# Altium PCB PV Refridgerator v0.1.0.PCBDOC (part 2 of 2)
Units mil, origin at the board's own origin, x right, y up, seen from the top; angles counter-clockwise.
Board outline 6000 x 6000 mil, 2 copper layers (Top Layer, Bottom Layer); 137 components, 98 nets, 385 pads, 105 vias.
Unrouted connection lines stored in the file: 4.
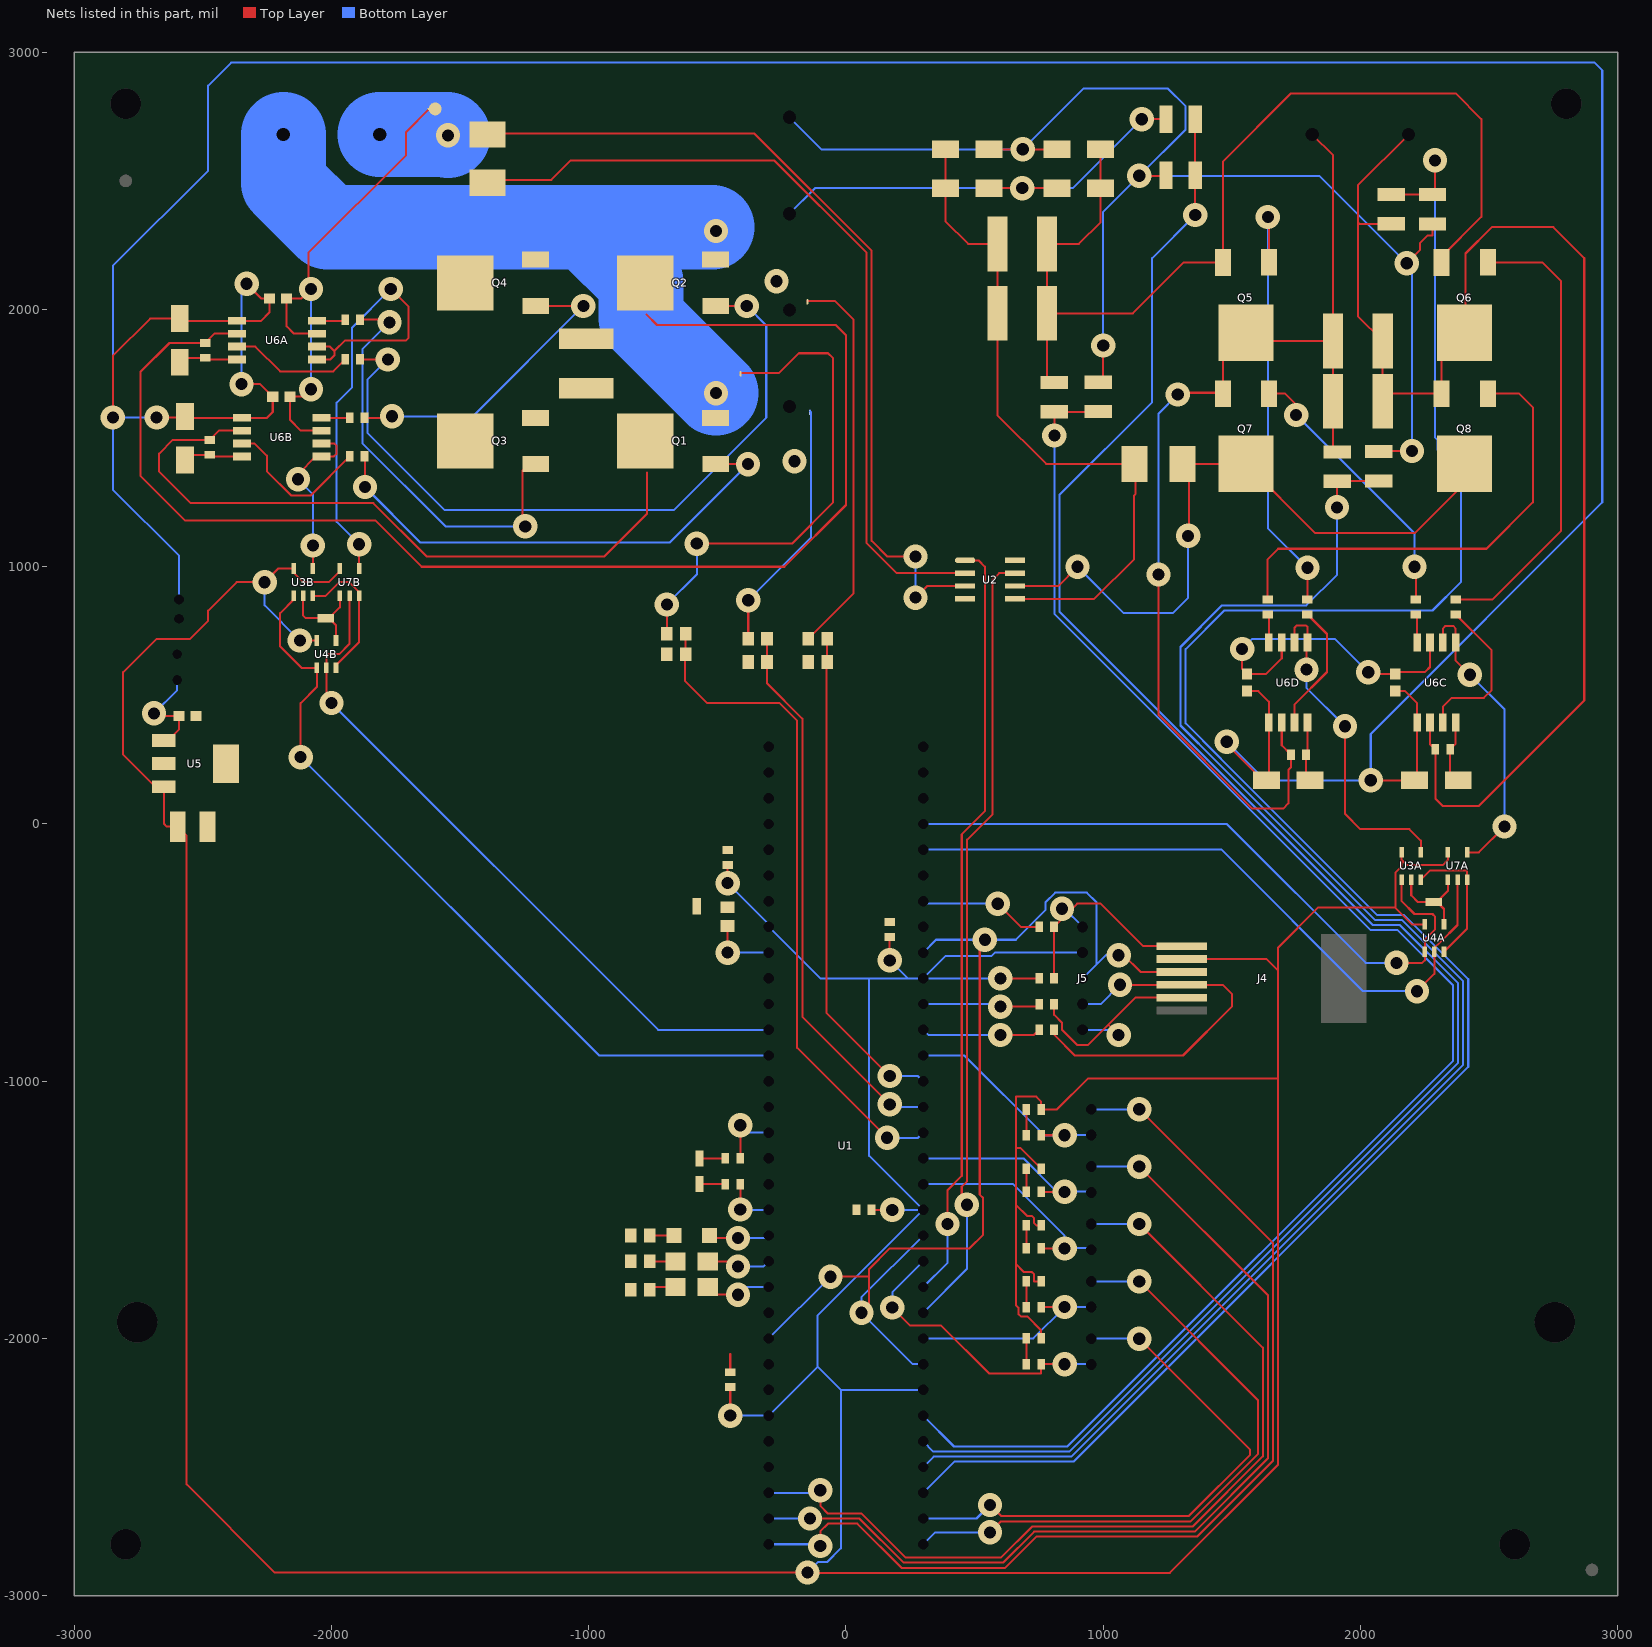
[diagram p2: the nets of this part, all layers, seen from the top]

## Part data
C11 C13A C13B C13C C13D: "Non-polarized"
C12: library part "22uF 1210 10V - Tantalum", "Polarized"
D1 D2 D3 D4 D8A D8B D8C D8D: library part "Diode - Signal 1A", "Signal Diode"
D7: "Single Colour"
J5: "Flash Programmer"
MountingHole1 MountingHole4: library part "Mounting Hole"
NetTie1A NetTie1B NetTie1C NetTie1D NetTie2 NetTie3 NetTie3 NetTie4 NetTie5 NetTie6 NetTie7 NetTie8 NetTie9: "Ties two nets together"
R3: library part "Template - Resistor"
R4 R11A R11B R11C R14A R14B R14C R14D R16A R16B R16C R16D R16E R17A R17B R17C R17D R17E: "Resistor"
R5 R6 R7 R8 R9 R10 R18 R19: "1/8W"
RT1A RT1B RT1C RT1D RT1E: library part "Thermistor 10k Type J", "Resistor"
U1: "General Purpose 16-Bit Flash Microcontroller, 256KB Flash, 16KB SRAM, 64-Pin TQFP, Industrial Temperature"
U5: "500mA"

## Via types
v1: diameter 94.49, hole 47.24, Top Layer to Bottom Layer, 105 vias

## Nets (pads, with @x,y where several pads share a name; then routed paths per layer and width w, separated by ;. In a path a pad name is that pad's centre, name@x,y a point inside that pad or via, vN(x,y) a via of type N, cw(c..) or ccw(c..) an arc to the next point about the centre after c; other vN are vias at no path point)
0V: J3.2 NetTie2.2 NetTie4.2 R2.1 | length 266.5
  Bottom Layer w330: J3.2@-1812.6,2680 -1550.08,2680 v1(-1547.24,2677.17)
3.3VDC: C5.1 C6.1 C7.1 C8.1 C12.1 J4.5 J5.2 R4.1 R16A.2 R16B.2 R16C.2 R16D.2 R16E.2 U1.10 U1.19 U1.26 U1.38 U1.57 U3A.5 U3B.5 U4A.5 U4B.5 U5.3 U7A.5 U7B.5 | length 21365.4
  Top Layer w7.87: v1(-2123.15,713.15) U4B.5@-2057.4,713.15 ; U7B.5@-1967.4,993.15 -1967.4,982.6 -2010,940 -2110,940 -2147.4,977.4 U3B.5@-2147.4,993.15 -2206.85,993.15 v1(-2260,940) -2369.14,940 -2479.36,829.79 -2479.36,790.64 -2550,720 -2680,720 -2810,590 -2810,270 -2685,145 U5.3@-2652,145 -2652,2 -2640,-10 C12.1@-2598.07,-10 -2563,-45.07 -2563,-2567 -2220,-2910 v1(-150,-2910) -148.78,-2911.22 1258.78,-2911.22 1680,-2490 1680,-990 ; v1(-460,-230) C8.1@-460,-159 ; v1(-450,-2300) C6.1@-450,-2189 ; C5.1@99,-1500 v1(180,-1500) ; v1(170,-530) C7.1@170,-439 ; v1(600,-600) R4.1@751.03,-600 ; R16B.2@758.97,-2000 758.97,-1968.97 704.25,-1914.25 679.51,-1914.25 670.28,-1905.02 670.28,-1880.28 660,-1870 660,-1710 ; R16A.2@758.97,-1778 731.78,-1778 731.78,-1750.98 722.55,-1741.75 691.75,-1741.75 660,-1710 ; R16C.2@758.97,-1560 740,-1560 731.78,-1551.78 731.78,-1532.98 722.55,-1523.75 703.75,-1523.75 660,-1480 ; R16E.2@758.97,-1340 678.97,-1260 660,-1260 ; J4.5@1305.04,-525 1635,-525 1680,-570 ; U3A.5@2160,-110 2160,-140 ; U4A.5@2250,-390 2200,-390 2135.39,-325.39 ; U7A.5@2340,-110 2340,-140 2320,-160 2180,-160 2160,-140 ; 660,-1710 660,-1480 ; 660,-1480 660,-1260 ; 660,-1260 660,-1060 740,-1060 758.97,-1078.97 R16D.2@758.97,-1110 820,-1110 940,-990 1680,-990 ; 1680,-990 1680,-570 ; 1680,-570 1680,-480 1834.61,-325.39 2135.39,-325.39 ; 2135.39,-325.39 2135.39,-189.11 2160,-164.5 2160,-140
  Bottom Layer w7.87: v1(-2260,940) -2260,850 v1(-2123.15,713.15) ; v1(-460,-230) -300,-390 U1.57@-300,-400 -100,-600 90,-600 ; v1(-450,-2300) U1.38@-300,-2300 -110,-2110 ; v1(-150,-2910) -109.61,-2869.61 -73.91,-2869.61 -20,-2815.7 -20,-2200 ; v1(170,-530) 240,-600 ; v1(180,-1500) U1.19@300,-1500 ; U1.26@300,-2200 -20,-2200 ; v1(600,-600) U1.10@300,-600 ; J5.2@920,-500 579.08,-500 566.09,-512.99 387.01,-512.99 U1.10@300,-600 ; -110,-2110 -110,-1910 U1.19@300,-1500 ; -110,-2110 -20,-2200 ; 90,-600 90,-1290 U1.19@300,-1500 ; 90,-600 240,-600 ; 240,-600 U1.10@300,-600
15VDC: C13A.1 C13B.1 C13C.1 C13D.1 D8A.1 D8B.1 D8C.1 D8D.1 J12.1 U2.8 U6A.5 U6B.5 U6C.5 U6D.5 | length 15005.7
  Top Layer w7.87: v1(-2850,1580) -2850,1820 -2705.35,1964.65 D8A.1@-2590,1964.65 ; v1(-2680,1580) -2565.35,1580 -2564.35,1579 U6B.5@-2349,1579 -2251,1579 -2228.46,1601.54 C13B.1@-2228.46,1661 -2277.46,1710 v1(-2350,1710) ; D8A.1@-2581.35,1956 U6A.5@-2366.54,1956 -2274,1956 -2241.46,1988.54 C13A.1@-2241.46,2043 -2273,2043 v1(-2330,2100) ; v1(1480,320) 1480,310 1620,170 D8D.1@1634.35,170 1644,179.65 U6D.5@1644,395 1644,476 1603.46,516.54 C13D.1@1559,516.54 ; v1(2040,170) D8C.1@2210.71,170 2220.35,179.65 U6C.5@2220.35,395 2220.35,469.65 2173.46,516.54 C13C.1@2135.35,516.54
  Bottom Layer w7.87: v1(-2680,1580) v1(-2850,1580) ; J12.1@-2592.5,872.5 -2592.5,1042.5 -2850,1300 v1(-2850,1580) ; v1(-2350,1710) -2350,2080 v1(-2330,2100) ; v1(1480,320) 1630,170 v1(2040,170) 2040,350 2940,1250 2940,2930 2910,2960 -2390,2960 -2480,2870 -2480,2540 -2850,2170 v1(-2850,1580)
"+DC BUS": C9.2 C10.2 D1.2 D2.2 Q5.3 Q6.3 R14C.2 | length 4028.5
  Top Layer w7.87: R14C.2@810,1716.61 781.46,1716.61 C9.2@781.46,1985 ; D2.2@989.65,2623 D1.2@989.65,2472 989.65,2339.65 905,2255 C10.2@781.46,2255 C9.2@781.46,1985 ; Q6.3@2315,2183 2315,2205 2470,2360 2470,2740 2370,2840 1730,2840 1465,2575 Q5.3@1465,2183 1313,2183 1115,1985 C9.2@781.46,1985
+VSOLAR: J3.1 NetTie7.2 Q1.3 Q2.3 | length 2766.3
  Bottom Layer w330: J3.1@-2187.4,2680 -2187.4,2492.4 -2015,2320 v1@-520,2320 ; -1000,2309.86 -796.94,2106.81 -796.94,1966.94 v1(-505,1675)
  other v1: -505,2305
+VT1.P: C1.1 J7.2 NetTie1B.2 NetTie8.2 Q1.2 Q3.3
  other v1: -200,1410
+VT1.S: D1.1 D3.2 J8.2 R14D.2 | length 1880.3
  Top Layer w7.87: D3.2@555.65,2472 v1(685,2472) D1.1@820.35,2472 ; v1(1150,2740) R14D.2@1243.39,2740
  Bottom Layer w7.87: J8.2@-220,2372.6 -120.6,2472 v1(685,2472) 882,2472 v1(1150,2740)
"-DC BUS": C9.1 C10.1 D3.1 D4.1 NetTie6.2 R3.1 | length 1802.2
  Top Layer w7.87: D4.1@386.35,2623 D3.1@386.35,2472 386.35,2343.65 475,2255 C10.1@588.54,2255 C9.1@588.54,1985 588.54,1589.48 778.02,1400 R3.1@1125,1400 ; NetTie6.2@1118,1400 R3.1@1121.5,1400
-VT1.P: C1.2 J7.1 NetTie1A.2 NetTie9.2 Q2.2 Q4.3
  other v1: -270,2110
A_HO: Q1.1 R12B.2 | length 1950.4
  Top Layer w7.87: R12B.2@-1871.57,1429 -1870,1427.43 v1(-1870,1310) ; Q1.1@-507,1399 v1(-381,1399)
  Bottom Layer w7.87: v1(-1870,1310) -1654.01,1094.01 -685.99,1094.01 v1(-381,1399)
A_LO: Q4.1 R13B.2 | length 1216.7
  Top Layer w7.87: R13B.2@-1871.57,1579 -1771,1579 v1(-1765,1585) ; Q4.1@-1207,2014 v1(-1021,2014)
  Bottom Layer w7.87: v1(-1765,1585) -1450,1585 v1(-1021,2014)
B_HO: Q2.1 R12A.2 | length 2837
  Top Layer w7.87: R12A.2@-1889.1,1806 v1(-1781,1806) ; Q2.1@-507,2014 v1(-386,2014)
  Bottom Layer w7.87: v1(-1781,1806) -1860.31,1726.69 -1860.31,1520.32 -1559.99,1219.99 -670.01,1219.99 -310,1580 -310,1938 v1(-386,2014)
B_LO: Q3.1 R13A.2 | length 1649.8
  Top Layer w7.87: R13A.2@-1889.1,1961 -1786,1961 v1(-1775,1950) ; v1(-1247,1157) -1247,1177 -1257.75,1187.75 -1257.75,1372.25 -1247,1383 Q3.1@-1247,1399
  Bottom Layer w7.87: v1(-1775,1950) -1880,1845 -1880,1480 -1557,1157 v1(-1247,1157)
C_HO: Q5.1 R12D.2 | length 1730.4
  Top Layer w7.87: v1(1640,2360) 1645,2355 Q5.1@1645,2183 ; R12D.2@1794,872.43 v1(1794,996)
  Bottom Layer w7.87: v1(1640,2360) 1640,1150 v1(1794,996)
C_LO: Q8.1 R13D.2 | length 1846.1
  Top Layer w7.87: R13D.2@1639,872.43 1639,1029 1680,1070 2490,1070 2670,1250 2670,1620 2617,1673 Q8.1@2495,1673
C_VS: C2.1 C3.1 J6.1 NetTie1D.2 Q5.2 Q7.3 R14B.2 | length 1651.8
  Top Layer w7.87: Q7.3@1465,1673 Q5.2@1465,1820 ; Q5.2@1640,1878 C3.1@1893.54,1878 ; J6.1@1812.6,2680 1893.54,2599.06 C3.1@1893.54,1878 ; R14B.2@1893.54,1462.24 C2.1@1893.54,1643 C3.1@1893.54,1878
D_HO: Q6.1 R12C.2 | length 1805.7
  Top Layer w7.87: R12C.2@2370.35,872.43 2512.43,872.43 2780,1140 2780,2110 2707,2183 Q6.1@2495,2183
D_LO: Q7.1 R13C.2 | length 1073.1
  Top Layer w7.87: Q7.1@1645,1673 1707,1673 1750,1630 v1(1750,1590) ; v1(2210,1000) 2215.35,994.65 R13C.2@2215.35,872.43
  Bottom Layer w7.87: v1(1750,1590) 2210,1130 v1(2210,1000)
D_VS: C2.2 C3.2 J6.2 NetTie1C.2 Q6.2 Q8.3 R14A.2 | length 1806.7
  Top Layer w7.87: R14A.2@2120,2333.39 1996.61,2333.39 1990,2340 ; J6.2@2187.4,2680 1990,2482.6 1990,2340 ; Q6.2@2405,1910 2315,1820 Q8.3@2315,1673 2116.46,1673 C2.2@2086.46,1643 C3.2@2086.46,1878 1990,1974.46 1990,2340
"DEBUG RX": R18.2 TP2.1 | length 101
  Top Layer w7.87: TP2.1@-570,-1400 R18.2@-468.97,-1400
"DEBUG TX": R19.2 TP3.1 | length 101
  Top Layer w7.87: TP3.1@-570,-1300 R19.2@-468.97,-1300
GND: C4.2 C5.2 C6.2 C7.2 C8.2 C11.2 C12.2 C13A.2 C13B.2 C13C.2 C13D.2 J4.4 J5.3 J9.1 J11.1 NetTie2.1 NetTie3.2@546.5,2640 R8.1 R9.1 R10.1 R20A.1 R20B.1 R20C.1 TP1.1 U1.9 U1.20 U1.25 U1.41 U2.4 U3A.3 U3B.3 U4A.3 U4B.3 U5.2 U6A.3 U6B.3 U6C.3 U6D.3 U7A.3 U7B.3 | length 8919.6
  Top Layer w7.87: v1(-2080,1690) -2109,1661 C13B.2@-2161.54,1661 -2161.54,1571.54 -2119,1529 U6B.3@-2039,1529 ; U3B.3@-2072.6,886.85 -2023.15,886.85 -1970,940 -1931.35,940 -1892.6,901.25 U7B.3@-1892.6,886.85 -1892.6,707.4 -1982.6,617.4 U4B.3@-1982.6,606.85 ; U6A.3@-2056.54,1906 -2146,1906 -2174.54,1934.54 C13A.2@-2174.54,2043 -2117,2043 -2090,2070 -2090,2220 -1710,2600 -1710,2690 NetTie2.1@-1620,2780 ; C6.2@-450,-2131 -450,-2060 ; v1(-60,-1760) 90,-1760 ; v1(60,-1900) 90,-1870 90,-1760 ; v1@537.01,-452.99 v1(540,-450) 520,-470 520,-1440.92 532.99,-1453.91 532.99,-1597.01 480,-1650 170,-1650 90,-1730 90,-1760 ; v1(1060,-510) 1080,-510 1145,-575 J4.4@1305.04,-575 ; v1(1540,680) 1540,602.46 C13D.2@1559,583.46 1633.46,583.46 1694,644 U6D.3@1694,705 ; v1(2030,590) 2036.53,583.47 C13C.2@2135.35,583.47 ; C13C.2@2135.35,591.34 2251.34,591.34 2270.35,610.35 U6C.3@2270.35,705 ; U3A.3@2234.8,-216.3 2271.1,-180 2324.5,-180 2324.62,-179.88 2409.88,-179.88 2414.8,-184.8 U7A.3@2414.8,-216.3 2414.8,-406.3 U4A.3@2324.8,-496.3
  Bottom Layer w7.87: v1(-2080,1690) v1(-2080,2080) ; U1.41@-300,-2000 v1(-60,-1760) ; v1(60,-1900) 260,-2100 U1.25@300,-2100 ; v1@70,-1910 60,-1910 60,-1840 U1.20@300,-1600 ; U1.9@300,-500 350,-450 v1@537.01,-450 ; v1(540,-450) 660,-450 776.49,-333.51 776.49,-303.39 813.39,-266.49 936.49,-266.49 973.25,-303.25 973.25,-546.75 ; J5.3@920,-600 973.25,-546.75 ; v1(1060,-510) 1010,-510 973.25,-546.75 ; v1(1540,680) 1580,720 1900,720 v1(2030,590)
HVGND: D2.1 D4.2 J8.1 NetTie3.1@553.5,2640 R15A.1 R15B.1 R15C.1 R15D.1 | length 5532.2
  Top Layer w7.87: D4.2@555.65,2623 v1(687,2623) D2.1@820.35,2623 ; R15C.1@1000,1737.57 v1(1000,1860) ; v1(1140,2520) 1241.39,2520 R15D.1@1243.39,2522 ; R15B.1@2070.83,1447.57 2073.26,1450 v1(2200,1450) ; v1(2180,2180) 2230.85,2230.85 2230.85,2257.02 2261.98,2288.15 2280,2288.15 R15A.1@2280,2332.43
  Bottom Layer w7.87: J8.1@-220,2747.4 -95.6,2623 v1(687,2623) 924,2860 1250,2860 1320,2790 1320,2700 v1(1140,2520) ; v1(1000,1860) 1000,2380 v1(1140,2520) ; v1(2200,1450) 2200,2170 2190,2180 v1(2180,2180) 1840,2520 v1(1140,2520)
MCLR: R5.2 U1.7 | length 482.5
  Top Layer w7.87: v1(590,-310) 680,-400 R5.2@751.03,-400
  Bottom Layer w7.87: U1.7@300,-300 310,-310 v1@580,-310
"MCLR PIN": J4.6 J5.1 R4.2 R5.1 | length 923.1
  Top Layer w7.87: R4.2@808.97,-600 R5.1@808.97,-400 v1@859.48,-349.48 ; v1(839.48,-329.48) 879.48,-329.48 898.97,-310 990,-310 1155,-475 J4.6@1305.04,-475
  Bottom Layer w7.87: v1(839.48,-329.48) 849.48,-329.48 J5.1@920,-400
NetC4_1: C4.1 U1.56 | length 263.5
  Top Layer w7.87: v1(-460,-500) C4.1@-460,-396.5
  Bottom Layer w7.87: v1(-460,-500) U1.56@-300,-500
NetC11_1: C11.1 J10.1 U5.1 | length 397.2
  Top Layer w7.87: v1(-2690,430) -2680,420 C11.1@-2593.46,420 -2593.46,366.54 -2635,325 U5.1@-2652,325
  Bottom Layer w7.87: v1(-2690,430) -2600,520 J10.1@-2600,560
NetC15A_1: C15A.1 D8A.2 U6A.8 | length 209.3
  Top Layer w7.87: D8A.2@-2573.35,1812 C15A.1@-2491.54,1812 -2485.54,1806 U6A.8@-2366.54,1806
NetC15A_2: C15A.2 NetTie1A.1 U6A.6 | length 5300.4
  Top Layer w7.87: U6A.6@-2366.54,1906 -2455.54,1906 C15A.2@-2491.54,1870 -2630,1870 -2742.99,1757.01 -2742.99,1352.99 -2570,1180 -1830,1180 -1650,1000 -240,1000 0,1240 0,1900 -40,1940 -734.72,1940 -775.97,1981.25
NetC15B_1: C15B.1 D8B.2 U6B.8 | length 203.8
  Top Layer w7.87: D8B.2@-2550.35,1435 C15B.1@-2474,1435 -2468,1429 U6B.8@-2349,1429
NetC15B_2: C15B.2 NetTie1B.1 U6B.6 | length 2689.8
  Top Layer w7.87: U6B.6@-2349,1529 -2438,1529 C15B.2@-2474,1493 -2617,1493 -2670,1440 -2670,1370 -2547.01,1247.01 -1837.01,1247.01 -1630,1040 -940,1040 -773.5,1206.5 -773.5,1366.25
NetC15C_1: C15C.1 D8C.2 U6C.8 | length 202.8
  Top Layer w7.87: D8C.2@2349,201 C15C.1@2349,290 2370.35,311.35 U6C.8@2370.35,395
NetC15C_2: C15C.2 NetTie1C.1 U6C.6 | length 3646.7
  Top Layer w7.87: U6C.6@2270.35,395 2270.35,310.65 C15C.2@2291,290 2291,99 2320,70 2460,70 2870,480 2870,2200 2750,2320 2510.73,2320 2408.5,2217.77 NetTie1C.1@2408.5,1910
NetC15D_1: C15D.1 D8D.2 U6D.8 | length 211.8
  Top Layer w7.87: D8D.2@1788,185.65 C15D.1@1788,270 1794,276 U6D.8@1794,395
NetC15D_2: C15D.2 NetTie1D.1 U6D.6 | length 2447.3
  Top Layer w7.87: v1(1215,970) 1215,425 1580,60 1700,60 1720,80 1720,210 1730,220 C15D.2@1730,270 1694,306 U6D.6@1694,395 ; v1(1290,1670) 1296.5,1676.5 NetTie1D.1@1460,1676.5
  Bottom Layer w7.87: v1(1215,970) 1215,1595 v1(1290,1670)
NetD5_1: D5.1 U1.43 | length 268.2
  Top Layer w7.87: D5.1@-537.5,-1800 -507.5,-1830 v1(-420,-1830)
  Bottom Layer w7.87: v1(-420,-1830) -420,-1820 -400,-1800 U1.43@-300,-1800
NetD5_2: D5.2 R8.2 | length 91
  Top Layer w7.87: R8.2@-753.53,-1800 D5.2@-662.5,-1800
NetD6_1: D6.1 U1.44 | length 254.1
  Top Layer w7.87: D6.1@-537.5,-1700 -440,-1700 v1(-420,-1720)
  Bottom Layer w7.87: v1(-420,-1720) -320,-1720 U1.44@-300,-1700
NetD6_2: D6.2 R9.2 | length 101
  Top Layer w7.87: R9.2@-763.53,-1700 D6.2@-662.5,-1700
NetD7_1: D7.1 U1.45 | length 225.2
  Top Layer w7.87: D7.1@-531.1,-1600 -521.1,-1610 v1(-420,-1610)
  Bottom Layer w7.87: v1(-420,-1610) U1.45@-310,-1610
NetD7_2: D7.2 R10.2 | length 94.6
  Top Layer w7.87: R10.2@-763.53,-1600 D7.2@-668.9,-1600
NetNetTie3_1: NetTie3.1@-1393.7,2504.25 U2.2 | length 3213.5
  Top Layer w7.87: NetTie3.1@-1393.7,2504.25 -1145.75,2504.25 -1070,2580 -280,2580 80,2220 80,1092.16 197.16,975 U2.2@462.95,975
NetNetTie3_2: NetTie3.2@-1393.7,2484.25 Q3.2 Q4.2 R2.2
NetNetTie4_1: NetTie4.1 U2.3 | length 3376.8
  Top Layer w7.87: NetTie4.1@-1393.7,2683.62 -355.78,2683.62 99.69,2228.15 99.69,1100.32 160,1040 v1(270,1040) ; v1(270,880) 315,925 U2.3@462.95,925
  Bottom Layer w7.87: v1(270,880) v1(270,1040)
NetNetTie5_1: NetTie5.1 U2.6 | length 1331
  Top Layer w7.87: U2.6@657.05,925 825,925 v1(900,1000) ; v1(1330,1120) 1333.69,1123.69 NetTie5.1@1333.69,1406
  Bottom Layer w7.87: v1(900,1000) 1080,820 1270,820 1330,880 v1(1330,1120)
NetNetTie5_2: NetTie5.2 Q7.2 Q8.2 R3.2 | length 1363.7
  Top Layer w7.87: R3.2@1308.5,1400 Q7.2@1555,1400 1824.57,1130.43 2210.43,1130.43 2405,1325 Q8.2@2405,1400
NetNetTie6_1: NetTie6.1 U2.5 | length 899.2
  Top Layer w7.87: U2.5@657.05,875 965,875 1120,1030 1120,1276.97 1125,1281.96 NetTie6.1@1125,1400
NetNetTie7_1: NetTie7.1 R11C.2 | length 1954.5
  Top Layer w7.87: R11C.2@-696.47,740 v1(-696.47,853.53) ; v1(-580,1090) -210,1090 -50,1250 -50,1810 -70,1830 -183.5,1830 -260,1753.5 NetTie7.1@-410,1753.5
  Bottom Layer w7.87: v1(-696.47,853.53) -580,970 v1(-580,1090)
NetNetTie8_1: NetTie8.1 R11B.2 | length 986.7
  Top Layer w7.87: R11B.2@-380,720 v1(-380,870)
  Bottom Layer w7.87: v1(-380,870) -136.5,1113.5 -136.5,1601.45 -138.55,1603.5 NetTie8.1@-140,1603.5
NetNetTie9_1: NetTie9.1 R11A.2 | length 1523.5
  Top Layer w7.87: NetTie9.1@-150,2033.5 -43.5,2033.5 30,1960 30,896.47 R11A.2@-146.47,720
NetR11A_1: R11A.1 R20A.2 U1.14 | length 1931.8
  Top Layer w7.87: R20A.2@-80,620 -76.54,616.54 -76.54,-733.46 v1(170,-980) ; R20A.2@-73.53,630 R11A.1@-73.53,720
  Bottom Layer w7.87: v1(170,-980) 280,-980 U1.14@300,-1000
NetR11B_1: R11B.1 R20B.2 U1.15 | length 2141.7
  Top Layer w7.87: R11B.1@-307.06,720 R20B.2@-307.06,630 -307.06,547 -170,409.93 -170,-750 v1(170,-1090)
  Bottom Layer w7.87: v1(170,-1090) 180,-1100 U1.15@300,-1100
NetR11C_1: R11C.1 R20C.2 U1.16 | length 2600.6
  Top Layer w7.87: R11C.1@-623.53,740 R20C.2@-623.53,660 -626.54,657 -626.54,556.54 -540,470 -257.91,470 -189.69,401.78 -189.69,-870.31 v1(160,-1220)
  Bottom Layer w7.87: v1(160,-1220) 280,-1220 U1.16@300,-1200
NetR12A_1: R12A.1 U6A.7 | length 478.3
  Top Layer w7.87: U6A.7@-2366.54,1856 -2296,1856 -2200,1760 -1993.04,1760 R12A.1@-1947.04,1806
NetR12B_1: R12B.1 U6B.7 | length 601.3
  Top Layer w7.87: U6B.7@-2349,1479 -2299,1479 -2251.75,1431.75 -2251.75,1371.75 -2157.01,1277.01 -2081.5,1277.01 R12B.1@-1929.5,1429
NetR12C_1: R12C.1 U6C.7 | length 628.9
  Top Layer w7.87: U6C.7@2320.35,395 2320.35,455 2355.35,490 2480,490 2510,520 2510,674.85 R12C.1@2370.35,814.5
NetR12D_1: R12D.1 U6D.7 | length 503.2
  Top Layer w7.87: U6D.7@1744,395 1744,464.92 1870,590.92 1870,738.5 R12D.1@1794,814.5
NetR13A_1: R13A.1 U6A.4 | length 111.6
  Top Layer w7.87: U6A.4@-2056.54,1956 -1952.04,1956 R13A.1@-1947.04,1961
NetR13B_1: R13B.1 U6B.4 | length 109.5
  Top Layer w7.87: U6B.4@-2039,1579 R13B.1@-1929.5,1579
NetR13C_1: R13C.1 U6C.4 | length 104.5
  Top Layer w7.87: U6C.4@2220.35,705 R13C.1@2220.35,809.5
NetR13D_1: R13D.1 U6D.4 | length 104.5
  Top Layer w7.87: U6D.4@1644,705 R13D.1@1644,809.5
NetR14A_1: R14A.1 R15A.2 U1.30 | length 8101.6
  Top Layer w7.87: R14A.1@2120,2447.57 R15A.2@2279.04,2447.57 ; R15A.2@2280,2446.61 2290,2456.61 v1(2290,2580)
  Bottom Layer w7.87: U1.30@300,-2600 420.95,-2479.05 884.46,-2479.05 2419.06,-944.46 2419.06,-603.36 2168.92,-353.23 2064.14,-353.23 1464.38,246.54 1453.91,257.01 1320,390.92 1320,680 1470,830 2280,830 2390,940 2390,1365 2300.39,1454.61 2300.39,1491.58 2290,1501.98 v1(2290,2580)
NetR14B_1: R14B.1 R15B.2 U1.29 | length 6137.4
  Top Layer w7.87: v1(1909.17,1230.83) R14B.1@1909.17,1332.43 ; R14B.1@1910.13,1333.39 R15B.2@2070.83,1333.39
  Bottom Layer w7.87: U1.29@300,-2500 340.63,-2459.37 876.31,-2459.37 2399.37,-936.31 2399.37,-611.51 2160.77,-372.91 2055.99,-372.91 1444.69,238.38 1300.31,382.76 1300.31,688.15 1461.85,849.69 1789.69,849.69 1909.17,969.17 v1(1909.17,1230.83)
NetR14C_1: R14C.1 R15C.2 U1.27 | length 6125.9
  Top Layer w7.87: v1(810,1510) R14C.1@810,1602.43 R15C.2@979.04,1602.43
  Bottom Layer w7.87: U1.27@300,-2300 420,-2420 860,-2420 2360,-920 2360,-627.82 2144.46,-412.28 2039.68,-412.28 810,817.4 v1(810,1510)
NetR14D_1: R14D.1 R15D.2 U1.28 | length 7312.2
  Top Layer w7.87: v1(1357.57,2367.57) R15D.2@1357.57,2522 R14D.1@1357.57,2740
  Bottom Layer w7.87: U1.28@300,-2400 339.68,-2439.68 868.15,-2439.68 2379.69,-928.15 2379.69,-619.67 2152.61,-392.6 2047.84,-392.6 830,825.24 830,1280 1190,1640 1190,2200 v1(1357.57,2367.57)
NetR16A_1: R16A.1 R17A.2 | length 100
  Top Layer w7.87: R17A.2@701.03,-1878 R16A.1@701.03,-1778
NetR16B_1: R16B.1 R17B.2 | length 100
  Top Layer w7.87: R17B.2@701.03,-2100 R16B.1@701.03,-2000
NetR16C_1: R16C.1 R17C.2 | length 90
  Top Layer w7.87: R17C.2@701.03,-1650 R16C.1@701.03,-1560
NetR16D_1: R16D.1 R17D.2 | length 100
  Top Layer w7.87: R17D.2@701.03,-1210 R16D.1@701.03,-1110
NetR16E_1: R16E.1 R17E.2 | length 90
  Top Layer w7.87: R17E.2@701.03,-1430 R16E.1@701.03,-1340
NetR18_1: R18.1 U1.46 | length 210.4
  Top Layer w7.87: v1(-411.03,-1498.97) R18.1@-411.03,-1400
  Bottom Layer w7.87: v1(-411.03,-1498.97) -410,-1500 U1.46@-300,-1500
NetR19_1: R19.1 U1.49 | length 252
  Top Layer w7.87: R19.1@-411.03,-1300 v1(-411.03,-1171.03)
  Bottom Layer w7.87: v1(-411.03,-1171.03) -382.06,-1200 U1.49@-300,-1200
NetTP4A_1: TP4A.1 U3A.2 U4A.4 U7A.1 | length 374.5
  Top Layer w7.87: U3A.2@2197.4,-216.3 2197.4,-277.4 2223.15,-303.15 TP4A.1@2285.16,-303.15 TP4A.1@2297.4,-303.15 ; U4A.4@2324.8,-390 2324.8,-330.55 TP4A.1@2297.4,-303.15 ; U7A.1@2340,-216.3 2340,-260.55 TP4A.1@2297.4,-303.15
NetTP4B_1: TP4B.1 U3B.2 U4B.4 U7B.1 | length 383.7
  Top Layer w7.87: U3B.2@-2110,886.85 -2110,810 -2100,800 TP4B.1@-2022.25,800 TP4B.1@-2010,800 ; U4B.4@-1982.6,713.15 -1982.6,772.6 TP4B.1@-2010,800 ; U7B.1@-1967.4,886.85 -1967.4,842.6 TP4B.1@-2010,800
NetU1_4: U1.4 U3A.1 U4A.1 | length 2592.9
  Top Layer w7.87: v1(2140,-540) 2240,-540 2250,-530 U4A.1@2250,-496.3 2250,-450 2290,-410 2290,-360 2280,-350 2210,-350 2160,-300 U3A.1@2160,-216.3
  Bottom Layer w7.87: U1.4@300,0 1480,0 2020,-540 v1@2130,-540
NetU1_5: U1.5 U4A.2 U7A.2 | length 2647.1
  Top Layer w7.87: v1(2220,-650) 2287.4,-582.6 U4A.2@2287.4,-496.3 2287.4,-481.9 2309.42,-459.88 2310.12,-459.88 2377.4,-392.6 U7A.2@2377.4,-216.3
  Bottom Layer w7.87: U1.5@300,-100 1460,-100 2010,-650 v1(2220,-650)
NetU1_22: U1.22 U2.1 | length 2986.8
  Top Layer w7.87: v1(394.84,-1555.16) 394.84,-1422.74 450,-1367.57 450,-40 540,50 540,1000 515,1025 U2.1@462.95,1025
  Bottom Layer w7.87: U1.22@300,-1800 394.84,-1705.16 v1(394.84,-1555.16)
NetU1_23: U1.23 U2.7 | length 3075.8
  Top Layer w7.87: v1(470,-1480) 450,-1460 450,-1410 471.21,-1388.79 471.21,-61.21 570,37.57 570,950 595,975 U2.7@657.05,975
  Bottom Layer w7.87: U1.23@300,-1900 470,-1730 v1(470,-1480)
NetU1_52: U1.52 U3B.1 U4B.1 | length 3068.9
  Top Layer w7.87: U3B.1@-2147.4,886.85 -2147.4,872.6 -2200,820 -2200,690 -2116.85,606.85 U4B.1@-2057.4,606.85 -2057.4,532.6 -2120,470 v1(-2120,260)
  Bottom Layer w7.87: v1(-2120,260) -960,-900 U1.52@-300,-900
NetU1_53: U1.53 U4B.2 U7B.2 | length 2711.9
  Top Layer w7.87: v1(-2000,470) -2020,490 U4B.2@-2020,606.85 -2020,650 -2010,660 -1970,660 -1930,700 U7B.2@-1930,886.85
  Bottom Layer w7.87: v1(-2000,470) -730,-800 U1.53@-300,-800
NetU3A_4: U3A.4 U6D.1 U6D.2 | length 1288.1
  Top Layer w7.87: U6D.2@1744,705 1744,764 1752.08,772.08 1787.92,772.08 1794,766 U6D.1@1794,705 1790,701 v1(1790,600) ; v1(1940,380) 1940,40 2000,-20 2190,-20 2234.8,-64.8 U3A.4@2234.8,-110
  Bottom Layer w7.87: v1(1790,600) 1790,530 v1(1940,380)
NetU3B_4: U3B.4 U6B.1 U6B.2 | length 666.5
  Top Layer w7.87: v1(-2130,1340) -2130,1360 -2061,1429 -1991,1429 -1980,1440 -1980,1470 -1989,1479 U6B.2@-2039,1479 ; U3B.4@-2072.6,993.15 v1(-2072.6,1082.6)
  Bottom Layer w7.87: v1(-2130,1340) -2072.6,1282.6 v1(-2072.6,1082.6)
NetU6A_1: U6A.1 U6A.2 U7B.4 | length 1905.6
  Top Layer w7.87: U6A.1@-2056.54,1806 -2004,1806 -1988.69,1821.31 -1988.69,1838.69 ; U6A.2@-2056.54,1856 -2006,1856 -1988.69,1838.69 ; U7B.4@-1892.6,993.15 v1(-1892.6,1087.4) ; v1(-1770,2080) -1700,2010 -1700,1890 -1710,1880 -1947.37,1880 -1988.69,1838.69
  Bottom Layer w7.87: v1(-1892.6,1087.4) -1980,1174.8 -1980,1638 -1920,1698 -1920,1930 v1(-1770,2080)
NetU6C_1: U6C.1 U6C.2 U7A.4 | length 1148.2
  Top Layer w7.87: U6C.2@2320.35,705 2320.35,759.83 2330.52,770 2360,770 2370.35,759.65 U6C.1@2370.35,705 2370.35,635 v1(2425.35,580) ; U7A.4@2414.8,-110 2460,-110 v1(2560,-10)
  Bottom Layer w7.87: v1(2425.35,580) 2560,445.35 v1(2560,-10)
PGC: R7.2 U1.11 | length 459.3
  Top Layer w7.87: v1(600,-710) 741.03,-710 R7.2@751.03,-700
  Bottom Layer w7.87: U1.11@300,-700 590,-700 v1(600,-710)
"PGC PIN": J4.2 J5.5 R7.1 | length 884.2
  Top Layer w7.87: R7.1@808.97,-700 808.97,-742.23 839.72,-772.98 839.72,-799.72 900,-860 940,-860 1020,-780 ; v1(1060,-820) 1020,-780 ; J4.2@1305.04,-675 1125,-675 1020,-780
  Bottom Layer w7.87: J5.5@920,-800 1040,-800 v1(1060,-820)
PGD: R6.2 U1.12 | length 467.6
  Top Layer w7.87: v1(600,-820) 731.03,-820 R6.2@751.03,-800
  Bottom Layer w7.87: U1.12@300,-800 320,-820 v1(600,-820)
"PGD PIN": J4.3 J5.4 R6.1 | length 1497.8
  Top Layer w7.87: R6.1@808.97,-800 808.97,-818.97 890,-900 1310,-900 1500,-710 1500,-660 1465,-625 J4.3@1305.04,-625 v1(1065,-625)
  Bottom Layer w7.87: J5.4@920,-700 990,-700 v1(1065,-625)
"SWITCHED GROUND 1": RT1E.1 U1.34 | length 3708
  Top Layer w7.87: v1(-140,-2700) -139.69,-2700.31 52.48,-2700.31 224.01,-2871.85 610.32,-2871.85 731.53,-2750.63 1356.31,-2750.63 1640.63,-2466.31 1640.63,-1832.63 v1(1140,-1332)
  Bottom Layer w7.87: U1.34@-300,-2700 v1(-140,-2700) ; RT1E.1@953.5,-1332 v1(1140,-1332)
"SWITCHED GROUND 2": RT1D.1 U1.33 | length 4043.4
  Top Layer w7.87: v1(-100,-2806.61) -100,-2750 -70,-2720 44.32,-2720 215.85,-2891.53 618.47,-2891.53 739.69,-2770.31 1364.46,-2770.31 1660.31,-2474.46 1660.31,-1629.31 v1(1140,-1109)
  Bottom Layer w7.87: U1.33@-300,-2800 -106.61,-2800 v1(-100,-2806.61) ; RT1D.1@953.5,-1109 v1(1140,-1109)
"SWITCHED GROUND 3": RT1C.1 U1.35 | length 3531.3
  Top Layer w7.87: v1(-100,-2590) -100,-2650.63 -70,-2680.63 60.63,-2680.63 232.16,-2852.16 602.16,-2852.16 723.38,-2730.94 1348.15,-2730.94 1620.94,-2458.15 1620.94,-2035.94 v1(1140,-1555)
  Bottom Layer w7.87: U1.35@-300,-2590 U1.35@-300,-2600 -110,-2600 v1(-100,-2590) ; RT1C.1@953.5,-1555 v1(1140,-1555)
"SWITCHED GROUND 4": RT1B.1 U1.31 | length 2224.4
  Top Layer w7.87: v1(560,-2647.48) 602.52,-2690 1333.42,-2690 1570,-2453.42 1570,-2431 v1(1140,-2001)
  Bottom Layer w7.87: U1.31@300,-2700 507.48,-2700 v1(560,-2647.48) ; RT1B.1@953.5,-2001 v1(1140,-2001)
"SWITCHED GROUND 5": RT1A.1 U1.32 | length 2495.8
  Top Layer w7.87: v1(560,-2753.78) 602.52,-2711.26 1340,-2711.26 1601.26,-2450 1601.26,-2239.26 v1(1140,-1778)
  Bottom Layer w7.87: U1.32@300,-2800 346.22,-2753.78 v1(560,-2753.78) ; RT1A.1@953.5,-1778 v1(1140,-1778)
"VTEMP 1": R17E.1 RT1E.2 U1.17 | length 798.8
  Top Layer w7.87: R17E.1@758.97,-1430 v1(850,-1430)
  Bottom Layer w7.87: U1.17@300,-1300 690,-1300 820,-1430 v1(850,-1430) 851,-1429 RT1E.2@953.5,-1429
"VTEMP 2": R17D.1 RT1D.2 U1.13 | length 873.4
  Top Layer w7.87: R17D.1@758.97,-1210 v1(850,-1210)
  Bottom Layer w7.87: U1.13@300,-900 460,-900 770,-1210 v1(850,-1210) 851,-1209 RT1D.2@953.5,-1209
"VTEMP 3": R17C.1 RT1C.2 U1.18 | length 877.8
  Top Layer w7.87: R17C.1@758.97,-1650 v1(850,-1650)
  Bottom Layer w7.87: U1.18@300,-1400 650,-1400 850,-1600 v1(850,-1650) 851,-1649 RT1C.2@953.5,-1649
"VTEMP 4": R17B.1 RT1B.2 U1.21 | length 1146
  Top Layer w7.87: v1(180,-1880) 250,-1950 370,-1950 556.25,-2136.25 758.97,-2136.25 R17B.1@758.97,-2100 v1(850,-2100)
  Bottom Layer w7.87: v1(180,-1880) 180,-1820 U1.21@300,-1700 ; v1(850,-2100) 851,-2099 RT1B.2@953.5,-2099
"VTEMP 5": R17A.1 RT1A.2 U1.24 | length 795.5
  Top Layer w7.87: R17A.1@758.97,-1878 v1(850,-1878)
  Bottom Layer w7.87: U1.24@300,-2000 728,-2000 v1(850,-1878) 851,-1877 RT1A.2@953.5,-1877
pads on no net: FD1.0 FD2.0 J4.0 J4.1 MountingHole1. MountingHole2. MountingHole3. MountingHole4. MountingHole5. MountingHole6. U1.1 U1.2 U1.3 U1.6 U1.8 U1.36 U1.37 U1.39 U1.40 U1.42 U1.47 U1.48 U1.50 U1.51 U1.54 U1.55 U1.58 U1.59 U1.60 U1.61 U1.62 U1.63 U1.64
copper on no net: | length 848.5
  Top Layer w7.87: -2837.5,2362.5 -2762.5,2437.5 ; -2837.5,2437.5 -2762.5,2362.5 ; 2862.5,-2837.5 2937.5,-2762.5 ; 2862.5,-2762.5 2937.5,-2837.5
  Bottom Layer w7.87: -2837.5,2362.5 -2762.5,2437.5 ; -2837.5,2437.5 -2762.5,2362.5 ; 2862.5,-2837.5 2937.5,-2762.5 ; 2862.5,-2762.5 2937.5,-2837.5

## Polygon pours and split planes (outlines as drawn)
+VSOLAR on Top Layer "Top Layer-No Net 1" (solid, remove dead copper, pour order 24): -560,1521.13 -560,1855 -350,1855 -350,1520
+VSOLAR on Top Layer "Top Layer-No Net 1" (solid, remove dead copper, pour order 25): -560,2151.13 -560,2485 -350,2485 -350,2150
+VT1.P on Top Layer "Top Layer-No Net 1" (solid, remove dead copper, pour order 21): -1275,1775 -1275,1240 -100,1240 -100,1775
-VT1.P on Top Layer "Top Layer-No Net 1" (solid, pour order 22): -1275,2370 -1275,1800 -467.23,1800 -350,1870 -100,1870 -100,1900 -100,1970 -100,2040 -100,2100 -100,2140 -350,2140 -430,2370
NetNetTie3_2 on Top Layer "Top Layer-No Net 1" (solid, remove dead copper, pour order 19): -1661.4,2585 -1275,2585 -1275,1240 -1660,1240
GND on Top Layer "Top Layer-No Net 1" (solid, remove dead copper, pour order 27): -3000,-3000 3000,-3000 3000,3000 -3000,3000
-VT1.P on Bottom Layer "Top Layer-No Net 1" (solid, remove dead copper, pour order 23): -390,2180 -105.21,2180 -100,2185.21 -100,1870 -390,1870
+VT1.P on Bottom Layer "Top Layer-No Net 1" (solid, remove dead copper, pour order 20): -320,1240 -100,1240 -100,1775 -320,1775
GND on Bottom Layer "Top Layer-No Net 1" (solid, pour order 26): -3000,-3000.05 3000,-3000.05 3000,2999.95 -3000,2999.95

## Keep-outs
Top Layer:
  lines w7.87: 2220,-2825 2210,-2835 2190,-2835 2180,-2825 2180,-2785 2190,-2775 2210,-2775 2220,-2785 ; 2311.81,-2826.93 2301.81,-2836.93 2281.81,-2836.93 2271.65,-2826.77 2271.65,-2787.09 2281.81,-2776.93 2301.81,-2776.93 2311.81,-2786.93

## Other copper
Top Layer:
  rectangle net 0V: -1661.42,2600 -1275,2842.52
  rectangle net NetC15A_2: -820,1870 -570.31,2010
  rectangle net NetNetTie9_1: -210,1990 -100,2100
  rectangle net NetC15A_2: -580,1880 -100,1950
  rectangle net NetC15B_2: -920,1240 -630,1500
  rectangle net NetC15A_2: -326.66,1940 -100,2014
  rectangle net NetNetTie7_1: -540,1696.08 -350,1820
  text "-" at 155,2721.61 h60
  text "+" at 160,2341.61 h60
  text "-" at 155,1972.01 h60
  text "+" at 160,1592.01 h60

## Silkscreen, mask and mechanical layers (free items; w line width, h text height)
Board Outline (M1):
  the board outline again, w1

## Text inside footprints (layer, text, board x,y; h text height)
J4: Top Overlay "6" at 1266,-422 h25 r270; Top Overlay "1" at 1265,-756 h25 r270